# Altium PCB FMC_SDR.PcbDoc (part 2 of 4)
Units mm, origin at the board's own origin, x right, y up, seen from the top; angles counter-clockwise.
Board outline 83.63 x 69 mm, 8 copper layers (Top, Int1 [signals], Int2 [GND], Int3 [high speed], Int4 [high speed], Int5 [GND/PWR], Int6 [GND/PWR], Bottom), stack 1.579 mm thick; 242 components, 142 nets, 831 pads, 1051 vias.
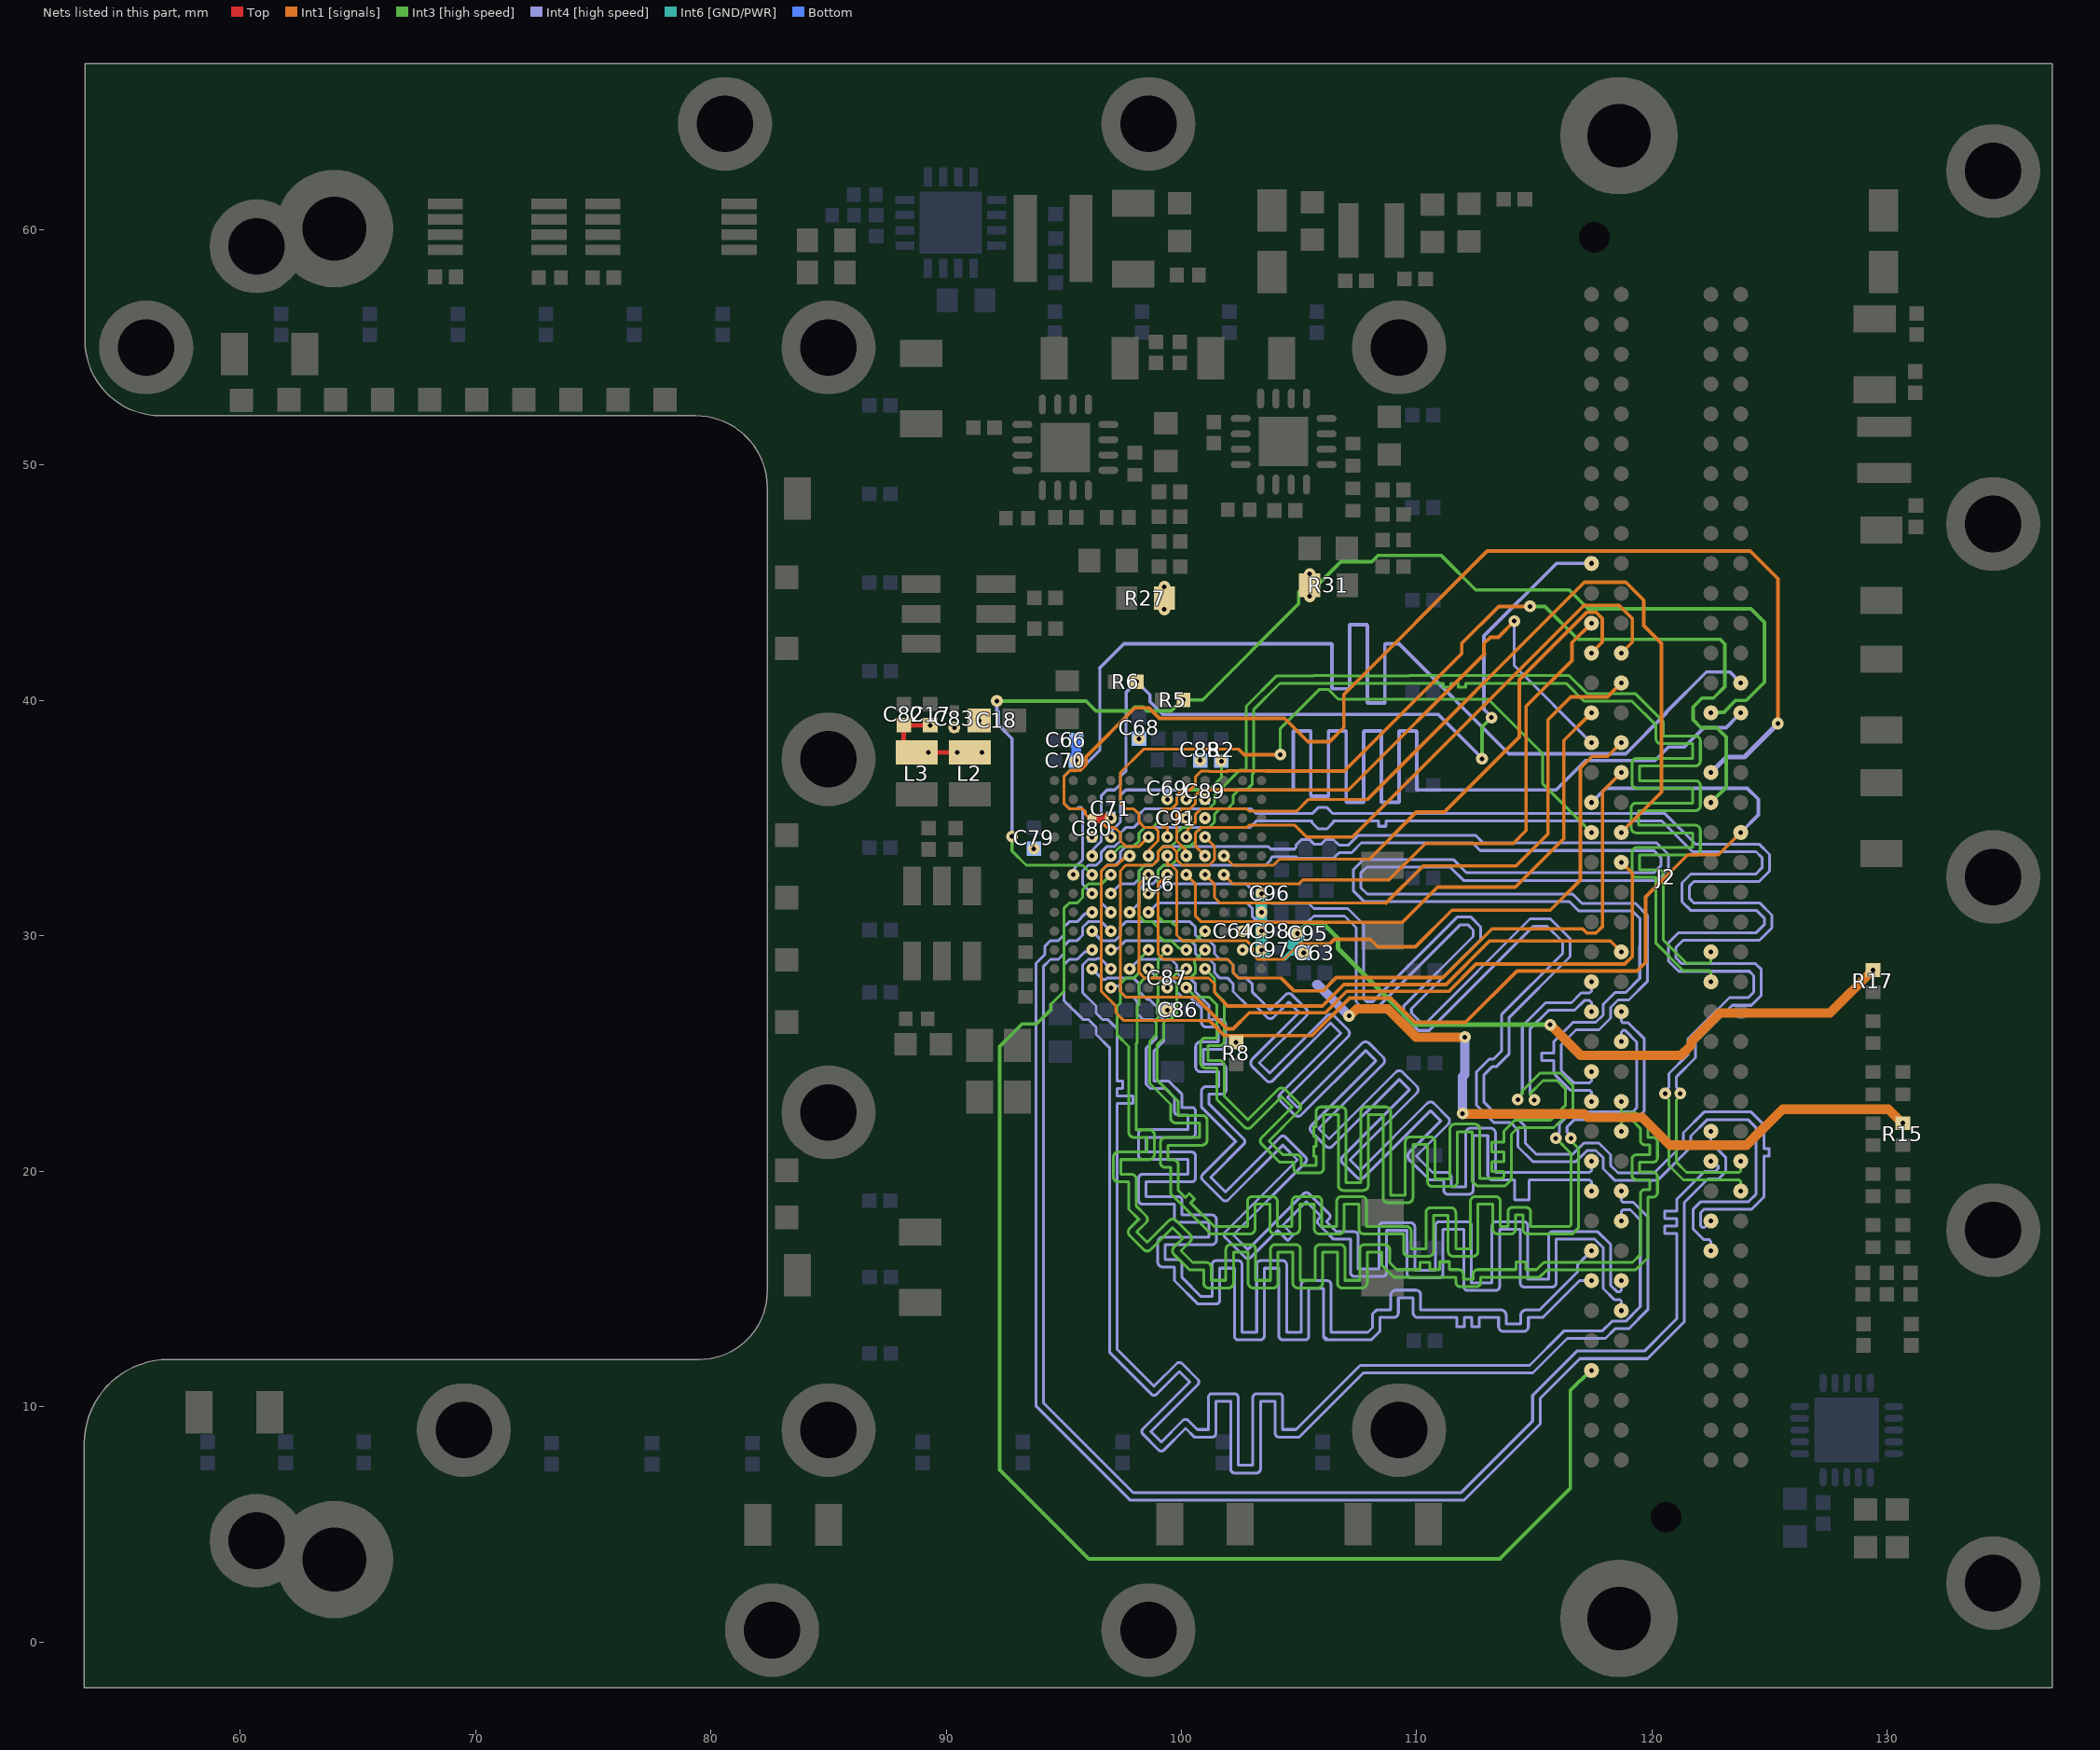
[diagram p8: the nets of this part, all layers, seen from the top]

## Via types
v1: diameter 0.5/0.5/0.5/0.5/0.5/0.5/0.5/0.5 (per signal layer), hole 0.2, Top to Bottom, tented both sides, 564 vias
v2: diameter 0.5/0.4/0.4/0.4/0.4/0.4/0.4/0.5 (per signal layer), hole 0.2, Top to Bottom, tented both sides, 182 vias
v3: diameter 0.5, hole 0.2, Top to Bottom, tented both sides, 163 vias
v4: diameter 0.6, hole 0.3, Top to Bottom, tented both sides, 118 vias
v5: diameter 0.5/0.5/0.5/0.5/0.5/0.5/0.5/0.5 (per signal layer), hole 0.2, Top to Bottom, 18 vias
v6: diameter 0.5, hole 0.2, Top to Bottom, 6 vias

## Nets (pads, with @x,y where several pads share a name; then routed paths per layer and width w, separated by ;. In a path a pad name is that pad's centre, name@x,y a point inside that pad or via, vN(x,y) a via of type N, cw(c..) or ccw(c..) an arc to the next point about the centre after c; other vN are vias at no path point)
1P3_SUPPLY_A: C63.2 C64.2 C66.2 C68.2 C69.2 C70.2 C71.2 IC6.B9 IC6.B10 IC6.E2 IC6.F2 IC6.J3 IC6.K3 R15.2 R27.2 | length 32.6
  Top w0.4: IC6.K3@96.203,35 v2(97.003,35)
  Int1 [signals] w0.4: v3(107.125,26.6) 107.152,26.6 107.452,26.9 108.768,26.9 109.968,25.7 v1(112.05,25.7) ; v3(111.95,22.45) 111.965,22.435 117.121,22.435 117.271,22.286 119.58,22.286 120.76,21.106 124.019,21.106 125.548,22.634 130.049,22.634 130.639,22.044 v1(130.661,22.044)
  Int4 [high speed] w0.4: 105.753,27.925 105.8,27.925 v3(107.125,26.6) ; v3(111.95,22.45) 111.95,24.018 112.05,24.118 v1(112.05,25.7)
  Bottom w0.4: v2(95.525,37.45) 95.533,37.458 95.533,38.317 C66.2@95.54,38.325
  other v1: 98.2,38.375 99.275,43.875 99.275,44.825
  other v2: 105.2,29.275 102.603,29.4 102.603,30.2 99.403,35.8 100.203,35.8
1P3_SUPPLY_B: C17.2 C18.2 C79.2 C80.2 C82.2 C83.2 C86.2 C87.2 C88.2 C89.2 C91.2 C95.2 C96.2 C97.2 C98.2 IC6.A7 IC6.A8 IC6.A9 IC6.A10 IC6.D2 IC6.D3 IC6.E3 IC6.F12 IC6.K4 L2.2 L3.2 R17.2 R31.2 | length 37
  Top w0.2: L3.2@88.2,37.931 C82.2@88.2,38.95 ; C82.2@88.346,38.95 v1(89.325,38.95) ; L3.2@89.407,37.79 L2.2@91,37.79
  Top w0.4: L3.2@88.125,37.75 ccw(c87.944,37.931) L3.2@88.2,37.931 ; C82.2@88.225,39 ccw(c88.346,39.121) C82.2@88.346,38.95 ; L3.2@89.25,37.725 cw(c89.407,37.568) L3.2@89.407,37.79
  Int3 [high speed] w0.2: v2(104.925,30.1) 105.365,30.54 106.007,30.54 106.65,29.897 106.65,29.473 109.898,26.225 v1(115.675,26.225)
  Int1 [signals] w0.4: v1(115.675,26.225) 116.984,24.916 121.225,24.916 121.665,25.356 121.665,25.5 122.887,26.722 127.566,26.722 v1(129.391,28.547)
  Int6 [GND/PWR] w0.2: 104.387,29.04 104.604,29.257 104.76,29.257 104.76,29.457 104.925,29.622
  Int6 [GND/PWR] w0.5: v2(103.403,31.8) v2(103.403,31) v2(103.403,30.2) v2(103.403,29.4) 103.403,29.322 v2@103.535,29.19 ; 104.715,29.624 104.925,29.834 v2(104.925,30.1)
  other v1: 89.25,37.8 90.475,37.8 91.525,37.8 90.35,38.85 91.4,39.15 105.45,44.425 105.45,45.375
  other v2: 99.4,26.85 99.403,27.8 93.725,33.703 96.203,34.2 100.203,35 101.003,35 101.003,35.8 100.8,37.45
9364_CLK_OUT: IC6.J6 J2.h4 | length 60.7
  Int3 [high speed] w0.12: 94.45,27.082 95.003,27.634 95.003,31.166 95.237,31.4 95.568,31.4 95.803,31.634 95.803,31.966 96.037,32.2 96.603,32.2 v2(97.003,32.6)
  Int3 [high speed] w0.15: 94.45,27.082 94.45,26.862 93.844,26.256 93.231,26.256 92.276,25.301 92.276,7.307 96.059,3.525 113.525,3.525 116.525,6.525 116.525,10.675 117.386,11.536 v3(117.425,11.536) 117.45,11.561 v3@117.45,11.6
9364_CTRL_IN0: IC6.C5 J2.h28 | length 23.9
  Int1 [signals] w0.12: v2(101.803,33.4) 102.203,33 103.911,33 104.161,33.25 107.976,33.25
  Int1 [signals] w0.15: 107.976,33.25 109.986,35.26 111.168,35.26 114.36,38.452 114.36,40.878 117.232,43.751 117.618,43.751 117.89,43.478 117.89,42.481 v3(117.425,42.016)
9364_CTRL_IN1: IC6.C6 J2.h29 | length 23.9
  Int1 [signals] w0.12: v2(101.803,32.6) 102.203,32.2 104.984,32.2 105.159,32.375
  Int1 [signals] w0.15: 105.159,32.375 108.816,32.375 110.366,33.925 114.1,33.925 114.65,34.475 114.65,39.75 116.6,41.7 116.6,42.461 v3(117.425,43.286)
9364_CTRL_IN2: IC6.D6 J2.g27 | length 25.2
  Int1 [signals] w0.12: v2(101.003,32.6) 101.403,32.2 101.403,31.634 101.637,31.4 108.7,31.4
  Int1 [signals] w0.15: 108.7,31.4 110.275,32.975 114.225,32.975 115.575,34.325 115.575,39.175 116.55,40.15 118.099,40.15 v3(118.695,40.746)
9364_CTRL_IN3: IC6.D5 J2.g28 | length 26
  Int1 [signals] w0.12: v2(101.003,33.4) 100.603,33.8 100.603,34.366 100.837,34.6 102.768,34.6 102.868,34.7 104.822,34.7 105.322,34.2 107,34.2
  Int1 [signals] w0.15: 107,34.2 107.272,34.2 117.112,44.041 118.598,44.041 119.16,43.478 119.16,42.481 v3@118.725,42.046
  other v3: 118.695,42.016
9364_CTRL_OUT0: IC6.D4 J2.g21 | length 39.4
  Int1 [signals] w0.12: 100.593,27.4 97.637,27.4 97.403,27.634 97.403,32.766 97.637,33 98.768,33 99.003,33.234 99.003,33.566 99.237,33.8 99.568,33.8 99.803,33.566 99.803,33.234 100.037,33 101.168,33 101.403,33.234 101.403,33.8 v2(101.003,34.2)
  Int1 [signals] w0.15: 100.593,27.4 101.943,26.05 102.2,26.05 102.885,26.735 106.115,26.735 107.025,27.645 111.365,27.645 112.521,28.801 118.838,28.801 119.16,29.123 119.16,32.661 v3(118.695,33.126)
9364_CTRL_OUT1: IC6.E4 J2.g22 | length 35.6
  Int1 [signals] w0.12: v2@100.2,34.275 100.203,34.272 v2(100.203,34.2) 100.256,34.254 100.256,34.488 100.603,34.834 100.603,35.166 100.837,35.4 102.768,35.4 102.868,35.3 104.901,35.3 105.401,35.8 107.9,35.8
  Int1 [signals] w0.15: 107.9,35.8 117.121,45.021 118.888,45.021 119.644,44.265 119.644,43.181 120.4,42.425 120.4,36.101 v3(118.695,34.396)
9364_CTRL_OUT2: IC6.E5 J2.h25 | length 26.7
  Int1 [signals] w0.12: v2(100.203,33.4) 100.149,33.454 100.149,33.688 99.803,34.034 99.803,35.166 100.037,35.4 100.368,35.4 100.603,35.634 100.603,35.966 100.837,36.2 107.1,36.2
  Int1 [signals] w0.15: 107.1,36.2 112.875,41.975 112.875,42.017 112.86,42.032 112.86,42.418 113.132,42.69 113.465,42.69 v1(114.15,43.375)
  Int4 [high speed] w0.12: v1(114.15,43.375) 114.15,41.481 v3(117.425,38.206)
9364_CTRL_OUT3: IC6.E6 J2.h26 | length 25
  Int1 [signals] w0.12: v2(100.203,32.6) 100.603,32.2 100.603,30.834 100.837,30.6 103.568,30.6 103.593,30.575 109.388,30.575
  Int1 [signals] w0.15: 109.388,30.575 110.887,32.075 114.193,32.075 116.25,34.132 116.25,38.301 v3(117.425,39.476)
9364_CTRL_OUT4: IC6.F6 J2.g24 | length 31.4
  Int1 [signals] w0.12: v2(99.403,32.6) 99.003,32.2 99.003,29.234 99.237,29 101.968,29 102.203,28.766 102.203,28.434 102.437,28.2 104.264,28.2
  Int1 [signals] w0.15: 104.264,28.185 104.789,27.66 106.01,27.66 106.575,28.225 111.125,28.225 113.2,30.3 117.053,30.3 117.232,30.121 117.618,30.121 117.9,30.403 117.9,36.141 v3(118.695,36.936)
9364_CTRL_OUT5: IC6.F5 J2.g25 | length 30
  Int1 [signals] w0.12: v2(99.403,33.4) 99.403,33 99.568,33 99.803,32.766 99.803,30.034 100.037,29.8 102.768,29.8 103.003,29.566 103.003,29.234 103.237,29 104.359,29 105.034,29.675 106.325,29.675
  Int1 [signals] w0.15: 106.325,29.675 106.5,29.85 108.034,29.85 108.349,29.535 109.948,29.535 111.5,31.088 115.675,31.088 116.96,32.373 116.96,37.128 117.459,37.628 118.117,37.628 v3(118.695,38.206)
9364_CTRL_OUT6: IC6.F4 J2.d23 | length 39.2
  Int3 [high speed] w0.15: v1(114.815,44) 115.455,44 116.855,42.6 122.9,42.6 123.1,42.4 123.1,40.588 122.612,40.1 122.125,40.1 121.75,39.725 121.75,39.175 122.075,38.85 122.75,38.85 123.15,38.45 123.15,36.311 v3(122.505,35.666)
  Int1 [signals] w0.12: v2(99.403,34.2) 99.403,34.6 99.237,34.6 99.003,34.834 99.003,35.166 99.237,35.4 99.599,35.4 99.803,35.604 99.803,35.966 100.037,36.2 100.368,36.2 100.603,36.434 100.603,36.766 100.837,37 101.168,37 101.193,36.975 101.886,36.975 101.911,37
  Int1 [signals] w0.15: 101.916,36.984 101.948,37.015 103.575,37.015 103.59,37 106.925,37 111.91,41.985 111.91,42.418 113.492,44 v1(114.815,44)
9364_CTRL_OUT7: IC6.G4 J2.d24 | length 52.8
  Int1 [signals] w0.12: 95.45,37.025 95.262,37.025 95.003,36.766 95.003,35.634 95.237,35.4 95.803,35.4 95.917,35.286 95.917,35.158 96.241,34.834 96.603,34.834 96.837,34.6 97.168,34.6 97.403,34.366 97.403,34.034 97.637,33.8 98.203,33.8 v2(98.603,34.2)
  Int1 [signals] w0.15: 95.45,37.025 95.46,37.035 95.697,37.035 95.94,37.278 95.94,37.602 98.028,39.69 98.615,39.69 99.065,39.24 104.385,39.24 105.375,38.25 106.299,38.25 106.9,38.851 106.9,40.25 113,46.35 124.175,46.35 125.35,45.175 v1(125.35,39.025)
  Int4 [high speed] w0.2: v3(122.505,36.936) 123.169,37.6 123.925,37.6 v1(125.35,39.025)
9364_DATA_CLK_N: IC6.H11 J2.g7 | length 64.5
  Int4 [high speed] w0.12: v2(97.803,28.6) 98.203,29 99.568,29 99.803,28.766 99.803,28.434 100.037,28.2 100.368,28.2 100.603,27.966 100.603,27.618 101.178,27.043 101.178,26.443 101.668,26.443 cw(c101.668,26.236) 101.875,26.236 101.875,25.383 cw(c101.668,25.383) 101.668,25.175 100.925,25.175 100.925,24.547 101.697,24.547 cw(c101.697,24.34) 101.905,24.34 101.905,23.487 cw(c101.697,23.487) 101.697,23.279 101.178,23.279 101.178,22.846 102.65,21.374 cw(c102.537,21.261) 102.697,21.261 cw(c102.537,21.261) 102.65,21.148 101.244,19.742 101.868,19.118 104.198,21.448 cw(c104.311,21.335) 104.424,21.448 105.274,20.598 cw(c105.161,20.485) 105.321,20.485 cw(c105.161,20.485) 105.274,20.372 102.199,17.297 102.823,16.674 105.195,19.046 cw(c105.308,18.933) 105.421,19.046 106.271,18.196 cw(c106.158,18.083) 106.318,18.083 cw(c106.158,18.083) 106.271,17.97 106.163,17.861 106.596,17.427 107.351,17.427 cw(c107.351,17.267) 107.511,17.267 107.511,15.847 108.393,15.847 108.393,17.642 cw(c108.553,17.642) 108.553,17.802 109.755,17.802 cw(c109.755,17.642) 109.915,17.642 109.915,15.795 110.797,15.795 110.797,17.695 cw(c110.957,17.695) 110.957,17.855 112.159,17.855 cw(c112.159,17.695) 112.319,17.695 112.319,15.255 113.201,15.255 113.201,17.687 cw(c113.361,17.687) 113.361,17.847 114.563,17.847 cw(c114.563,17.687) 114.723,17.687 114.723,15.404 115.605,15.404 115.605,17.267 cw(c115.765,17.267) 115.765,17.427 117.702,17.427 118.245,16.885 118.245,15.151 118.525,14.871 118.625,14.871 118.695,14.941 v1(118.695,15.346)
9364_DATA_CLK_P: IC6.G11 J2.g6 | length 64.5
  Int4 [high speed] w0.12: v2(98.603,28.6) 99.003,28.2 99.568,28.2 99.803,27.966 99.803,27.634 100.037,27.4 100.368,27.4 100.858,26.911 100.858,26.33 ccw(c101.065,26.33) 101.065,26.123 101.555,26.123 101.555,25.495 100.812,25.495 ccw(c100.812,25.288) 100.605,25.288 100.605,24.435 ccw(c100.812,24.435) 100.812,24.227 101.585,24.227 101.585,23.599 101.065,23.599 ccw(c101.065,23.392) 100.858,23.392 100.858,22.714 102.31,21.261 100.905,19.855 ccw(c101.018,19.742) 100.905,19.629 101.755,18.779 ccw(c101.868,18.892) 101.981,18.779 104.311,21.109 104.935,20.485 101.86,17.411 ccw(c101.973,17.297) 101.86,17.184 102.71,16.334 ccw(c102.823,16.448) 102.936,16.334 103.75,17.148 103.863,17.261 104.089,17.488 104.51,17.067 ccw(c104.521,17.078) 104.532,17.067 104.736,17.271 ccw(c104.725,17.282) 104.736,17.293 104.316,17.714 104.542,17.94 105.126,18.524 105.308,18.706 105.932,18.083 105.823,17.974 ccw(c105.936,17.861) 105.823,17.748 106.464,17.107 107.191,17.107 107.191,15.687 ccw(c107.351,15.687) 107.351,15.527 108.553,15.527 ccw(c108.553,15.687) 108.713,15.687 108.713,17.482 109.595,17.482 109.595,15.635 ccw(c109.755,15.635) 109.755,15.475 110.957,15.475 ccw(c110.957,15.635) 111.117,15.635 111.117,17.535 111.999,17.535 111.999,15.095 ccw(c112.159,15.095) 112.159,14.935 113.361,14.935 ccw(c113.361,15.095) 113.521,15.095 113.521,17.527 114.403,17.527 114.403,15.244 ccw(c114.563,15.244) 114.563,15.084 115.765,15.084 ccw(c115.765,15.244) 115.925,15.244 115.925,17.107 117.57,17.107 117.925,16.752 117.925,15.018 118.393,14.551 118.625,14.551 118.695,14.48 v1(118.695,14.076)
9364_EN_AGC: IC6.G5 J2.h22 | length 30.4
  Int3 [high speed] w0.12: v1(104.205,37.7) 104.205,38.811 105.869,40.475 106.242,40.475 106.667,40.05 113.044,40.05 115.36,37.734 115.36,36.461 v3(117.425,34.396)
  Int1 [signals] w0.12: v2(98.603,33.4) 98.656,33.454 98.656,33.688 99.003,34.034 99.003,34.467 98.869,34.6 98.437,34.6 98.203,34.834 98.203,35.166 97.968,35.4 97.637,35.4 97.403,35.634 97.403,36.94 98.388,37.925 102.437,37.925
  Int1 [signals] w0.15: 102.437,37.925 102.662,37.7 v1(104.205,37.7)
9364_ENABLE: IC6.G6 J2.g18 | length 27
  Int1 [signals] w0.12: v2(98.603,32.6) 98.203,32.2 98.203,28.434 98.437,28.2 101.168,28.2 101.403,27.966 101.403,27.587 101.725,27.265
  Int1 [signals] w0.15: 101.725,27.265 101.965,27.025 105.995,27.025 106.905,27.935 111.245,27.935 113.091,29.781 118.23,29.781 v3(118.695,29.316)
9364_FB_CLK_N: IC6.G10 J2.g13 | length 62.4
  Int3 [high speed] w0.12: v2(98.603,29.4) 98.203,29 98.203,28.434 97.968,28.2 97.637,28.2 97.403,27.966 97.403,27.143 97.275,27.016 97.275,25.784 97.765,25.295 97.765,21.648 ccw(c97.972,21.648) 97.972,21.441 98.527,21.441 98.527,20.813 97.317,20.813 ccw(c97.317,20.606) 97.11,20.606 97.11,19.752 ccw(c97.317,19.752) 97.317,19.545 97.765,19.545 97.765,18.383 98.189,17.958 97.797,17.566 ccw(c97.944,17.42) 97.797,17.273 98.4,16.67 ccw(c98.547,16.816) 98.693,16.67 99.624,17.601 100.068,17.157 99.676,16.764 ccw(c99.823,16.618) 99.676,16.471 100.342,15.805 100.943,15.805 100.943,15.25 ccw(c101.15,15.25) 101.15,15.043 102.003,15.043 ccw(c102.003,15.25) 102.211,15.25 102.211,16.567 102.839,16.567 102.839,15.25 ccw(c103.046,15.25) 103.046,15.043 103.899,15.043 ccw(c103.899,15.25) 104.107,15.25 104.107,16.567 104.735,16.567 104.735,15.25 ccw(c104.942,15.25) 104.942,15.043 105.795,15.043 ccw(c105.795,15.25) 106.003,15.25 106.003,16.567 106.631,16.567 106.631,15.25 ccw(c106.838,15.25) 106.838,15.043 107.691,15.043 ccw(c107.691,15.25) 107.899,15.25 107.899,16.567 108.527,16.567 108.527,15.992 109.02,15.499 111.66,15.499 111.66,15.288 ccw(c111.857,15.288) 111.857,15.091 112.523,15.091 ccw(c112.523,15.288) 112.72,15.288 112.72,15.499 113.15,15.499 115.227,15.499 115.534,15.805 119.305,15.805 119.825,16.325 119.825,18.9 120.036,18.9 ccw(c120.036,19.097) 120.233,19.097 120.233,19.763 ccw(c120.036,19.763) 120.036,19.96 119.465,19.96 119.465,20.38 120.036,20.38 ccw(c120.036,20.577) 120.233,20.577 120.233,21.243 ccw(c120.036,21.243) 120.036,21.44 119.825,21.44 119.825,21.951 119.286,22.491 118.765,22.491 118.695,22.561 v1(118.695,22.966)
9364_FB_CLK_P: IC6.F10 J2.g12 | length 62.4
  Int3 [high speed] w0.12: v2(99.403,29.4) 99.003,29 99.003,28.434 98.768,28.2 98.437,28.2 98.203,27.966 98.203,27.093 98.125,27.016 98.125,25.475 98.081,25.431 98.085,25.427 98.085,21.761 98.639,21.761 cw(c98.639,21.554) 98.847,21.554 98.847,20.7 cw(c98.639,20.7) 98.639,20.493 97.43,20.493 97.43,19.865 97.877,19.865 cw(c97.877,19.658) 98.085,19.658 98.085,18.515 98.495,18.105 cw(c98.348,17.958) 98.556,17.958 cw(c98.348,17.958) 98.495,17.812 98.103,17.42 98.547,16.976 99.478,17.907 cw(c99.624,17.76) 99.771,17.907 100.374,17.303 cw(c100.228,17.157) 100.435,17.157 cw(c100.228,17.157) 100.374,17.01 99.982,16.618 100.475,16.125 101.055,16.125 cw(c101.055,15.918) 101.263,15.918 101.263,15.363 101.891,15.363 101.891,16.68 cw(c102.098,16.68) 102.098,16.887 102.951,16.887 cw(c102.951,16.68) 103.159,16.68 103.159,15.363 103.787,15.363 103.787,16.68 cw(c103.994,16.68) 103.994,16.887 104.847,16.887 cw(c104.847,16.68) 105.055,16.68 105.055,15.363 105.683,15.363 105.683,16.68 cw(c105.89,16.68) 105.89,16.887 106.743,16.887 cw(c106.743,16.68) 106.951,16.68 106.951,15.363 107.579,15.363 107.579,16.68 cw(c107.786,16.68) 107.786,16.887 108.639,16.887 cw(c108.639,16.68) 108.847,16.68 108.847,16.125 109.153,15.819 109.925,15.819 110.114,15.819 ccw(c110.114,15.84) 110.135,15.84 110.135,16.104 cw(c110.156,16.104) 110.156,16.125 110.534,16.125 cw(c110.534,16.104) 110.555,16.104 110.555,15.84 ccw(c110.576,15.84) 110.576,15.819 110.954,15.819 ccw(c110.954,15.84) 110.975,15.84 110.975,16.135 cw(c110.996,16.135) 110.996,16.156 111.374,16.156 cw(c111.374,16.135) 111.395,16.135 111.395,15.84 ccw(c111.416,15.84) 111.416,15.819 111.65,15.819 111.783,15.819 cw(c111.783,15.622) 111.98,15.622 111.98,15.411 112.4,15.411 112.4,15.622 cw(c112.597,15.622) 112.597,15.819 113.15,15.819 113.175,15.819 113.385,15.819 113.805,15.819 114.204,15.819 ccw(c114.204,15.84) 114.225,15.84 114.225,16.117 cw(c114.246,16.117) 114.246,16.138 114.624,16.138 cw(c114.624,16.117) 114.645,16.117 114.645,15.84 ccw(c114.666,15.84) 114.666,15.819 115.095,15.819 115.401,16.125 119.172,16.125 119.505,16.458 119.505,19.023 cw(c119.702,19.023) 119.702,19.22 119.913,19.22 119.913,19.64 119.342,19.64 cw(c119.342,19.837) 119.145,19.837 119.145,20.503 cw(c119.342,20.503) 119.342,20.7 119.913,20.7 119.913,21.12 119.702,21.12 cw(c119.702,21.317) 119.505,21.317 119.505,21.819 119.153,22.171 118.765,22.171 118.695,22.1 v3(118.695,21.696)
9364_RESETB: IC6.K5 J2.h31 R6.2 | length 35.8
  Int3 [high speed] w0.15: v3(112.775,37.525) 112.775,38.871 v3(113.181,39.277)
  Int4 [high speed] w0.12: v2(96.203,33.4) 96.256,33.454 96.256,33.688 96.603,34.034 96.603,35.632 96.6,35.634 96.6,35.963 96.837,36.2 97.168,36.2 97.403,36.434 97.403,36.766 97.65,37.013 97.65,39.1
  Int4 [high speed] w0.15: 97.65,39.1 97.65,40.35 v1(98.1,40.8) 98.66,40.24 98.66,39.957 99.205,39.412 110.909,39.412 112.775,37.546 v3(112.775,37.525) ; v3(113.181,39.277) 113.181,39.308 112.86,39.628 112.86,42.743 115.943,45.826 117.274,45.826 v3@117.301,45.799
  other v3: 117.425,45.826
9364_RX_D0_N: IC6.K11 J2.h8 | length 65.3
  Int4 [high speed] w0.12: v2(96.203,28.6) 96.647,28.156 96.793,28.156 96.837,28.2 97.101,28.2 97.637,28.2 97.968,28.2 98.203,27.966 98.203,27.634 98.531,27.306 98.634,27.306 98.962,26.978 98.962,26.722 99.245,26.439 99.245,25.511 98.825,25.091 98.825,23.825 99.465,23.825 100.025,23.265 100.025,22.711 100.438,22.711 cw(c100.438,22.551) 100.598,22.551 100.598,21.603 cw(c100.438,21.603) 100.438,21.443 98.501,21.443 98.501,20.815 100.438,20.815 cw(c100.438,20.655) 100.598,20.655 100.598,19.707 cw(c100.438,19.707) 100.438,19.547 98.501,19.547 98.501,18.919 99.865,18.919 cw(c99.865,18.759) 100.025,18.759 100.025,18.145 101.281,18.145 cw(c101.281,17.938) 101.488,17.938 101.488,17.085 cw(c101.281,17.085) 101.281,16.877 99.316,16.877 99.316,16.249 99.818,16.249 cw(c99.818,16.042) 100.025,16.042 100.025,15.486 100.836,14.675 101.303,14.675 101.303,16.039 cw(c101.463,16.039) 101.463,16.199 102.411,16.199 cw(c102.411,16.039) 102.571,16.039 102.571,13.151 103.199,13.151 103.199,16.039 cw(c103.359,16.039) 103.359,16.199 104.307,16.199 cw(c104.307,16.039) 104.467,16.039 104.467,13.151 105.095,13.151 105.095,15.186 cw(c105.255,15.186) 105.255,15.346 106.203,15.346 cw(c106.203,15.186) 106.363,15.186 106.363,13.151 107.926,13.151 108.125,13.35 108.125,13.936 108.289,14.1 108.901,14.1 108.901,14.74 cw(c109.108,14.74) 109.108,14.947 109.961,14.947 cw(c109.961,14.74) 110.169,14.74 110.169,14.1 113.592,14.1 cw(c113.592,13.893) 113.799,13.893 113.799,13.513 114.427,13.513 114.427,13.893 cw(c114.634,13.893) 114.634,14.1 115.215,14.1 116.845,15.731 116.845,16.036 v3(117.425,16.616)
9364_RX_D0_P: IC6.J12 J2.h7 | length 65.6
  Int4 [high speed] w0.12: v2(97.003,27.8) 97.056,27.854 97.187,27.854 97.213,27.88 97.233,27.88 97.383,27.88 97.403,27.86 97.403,27.634 97.637,27.4 97.938,27.4 98.125,27.213 98.125,26.684 98.359,26.45 98.782,26.45 98.925,26.307 98.925,25.643 98.505,25.223 98.505,23.692 98.692,23.505 99.332,23.505 99.705,23.132 99.705,22.551 ccw(c99.865,22.551) 99.865,22.391 100.278,22.391 100.278,21.763 98.341,21.763 ccw(c98.341,21.603) 98.181,21.603 98.181,20.655 ccw(c98.341,20.655) 98.341,20.495 100.278,20.495 100.278,19.867 98.341,19.867 ccw(c98.341,19.707) 98.181,19.707 98.181,18.759 ccw(c98.341,18.759) 98.341,18.599 99.705,18.599 99.705,18.033 ccw(c99.912,18.033) 99.912,17.825 101.168,17.825 101.168,17.197 99.204,17.197 ccw(c99.204,16.99) 98.996,16.99 98.996,16.137 ccw(c99.204,16.137) 99.204,15.929 99.705,15.929 99.705,15.353 100.703,14.355 101.463,14.355 ccw(c101.463,14.515) 101.623,14.515 101.623,15.879 102.251,15.879 102.251,12.991 ccw(c102.411,12.991) 102.411,12.831 103.359,12.831 ccw(c103.359,12.991) 103.519,12.991 103.519,15.879 104.147,15.879 104.147,12.991 ccw(c104.307,12.991) 104.307,12.831 105.255,12.831 ccw(c105.255,12.991) 105.415,12.991 105.415,15.026 106.043,15.026 106.043,13.018 ; 106.203,12.831 cw(c106.203,12.991) 106.043,12.991 106.043,13.018 ; v3(117.425,15.346) 116.913,15.346 115.347,13.78 114.747,13.78 114.747,13.401 cw(c114.54,13.401) 114.54,13.193 113.686,13.193 cw(c113.686,13.401) 113.479,13.401 113.479,13.78 112.985,13.78 112.665,13.78 112.665,13.407 cw(c112.649,13.407) 112.649,13.391 112.361,13.391 cw(c112.361,13.407) 112.345,13.407 112.345,13.78 112.025,13.78 112.025,13.407 cw(c112.009,13.407) 112.009,13.391 111.721,13.391 cw(c111.721,13.407) 111.705,13.407 111.705,13.78 111.385,13.78 111.225,13.78 110.056,13.78 cw(c110.056,13.987) 109.849,13.987 109.849,14.627 109.221,14.627 109.221,13.987 cw(c109.013,13.987) 109.013,13.78 108.445,13.78 108.445,13.217 108.059,12.831 106.231,12.831 106.043,13.018